# Allegro board XS6-9.brd (continued)
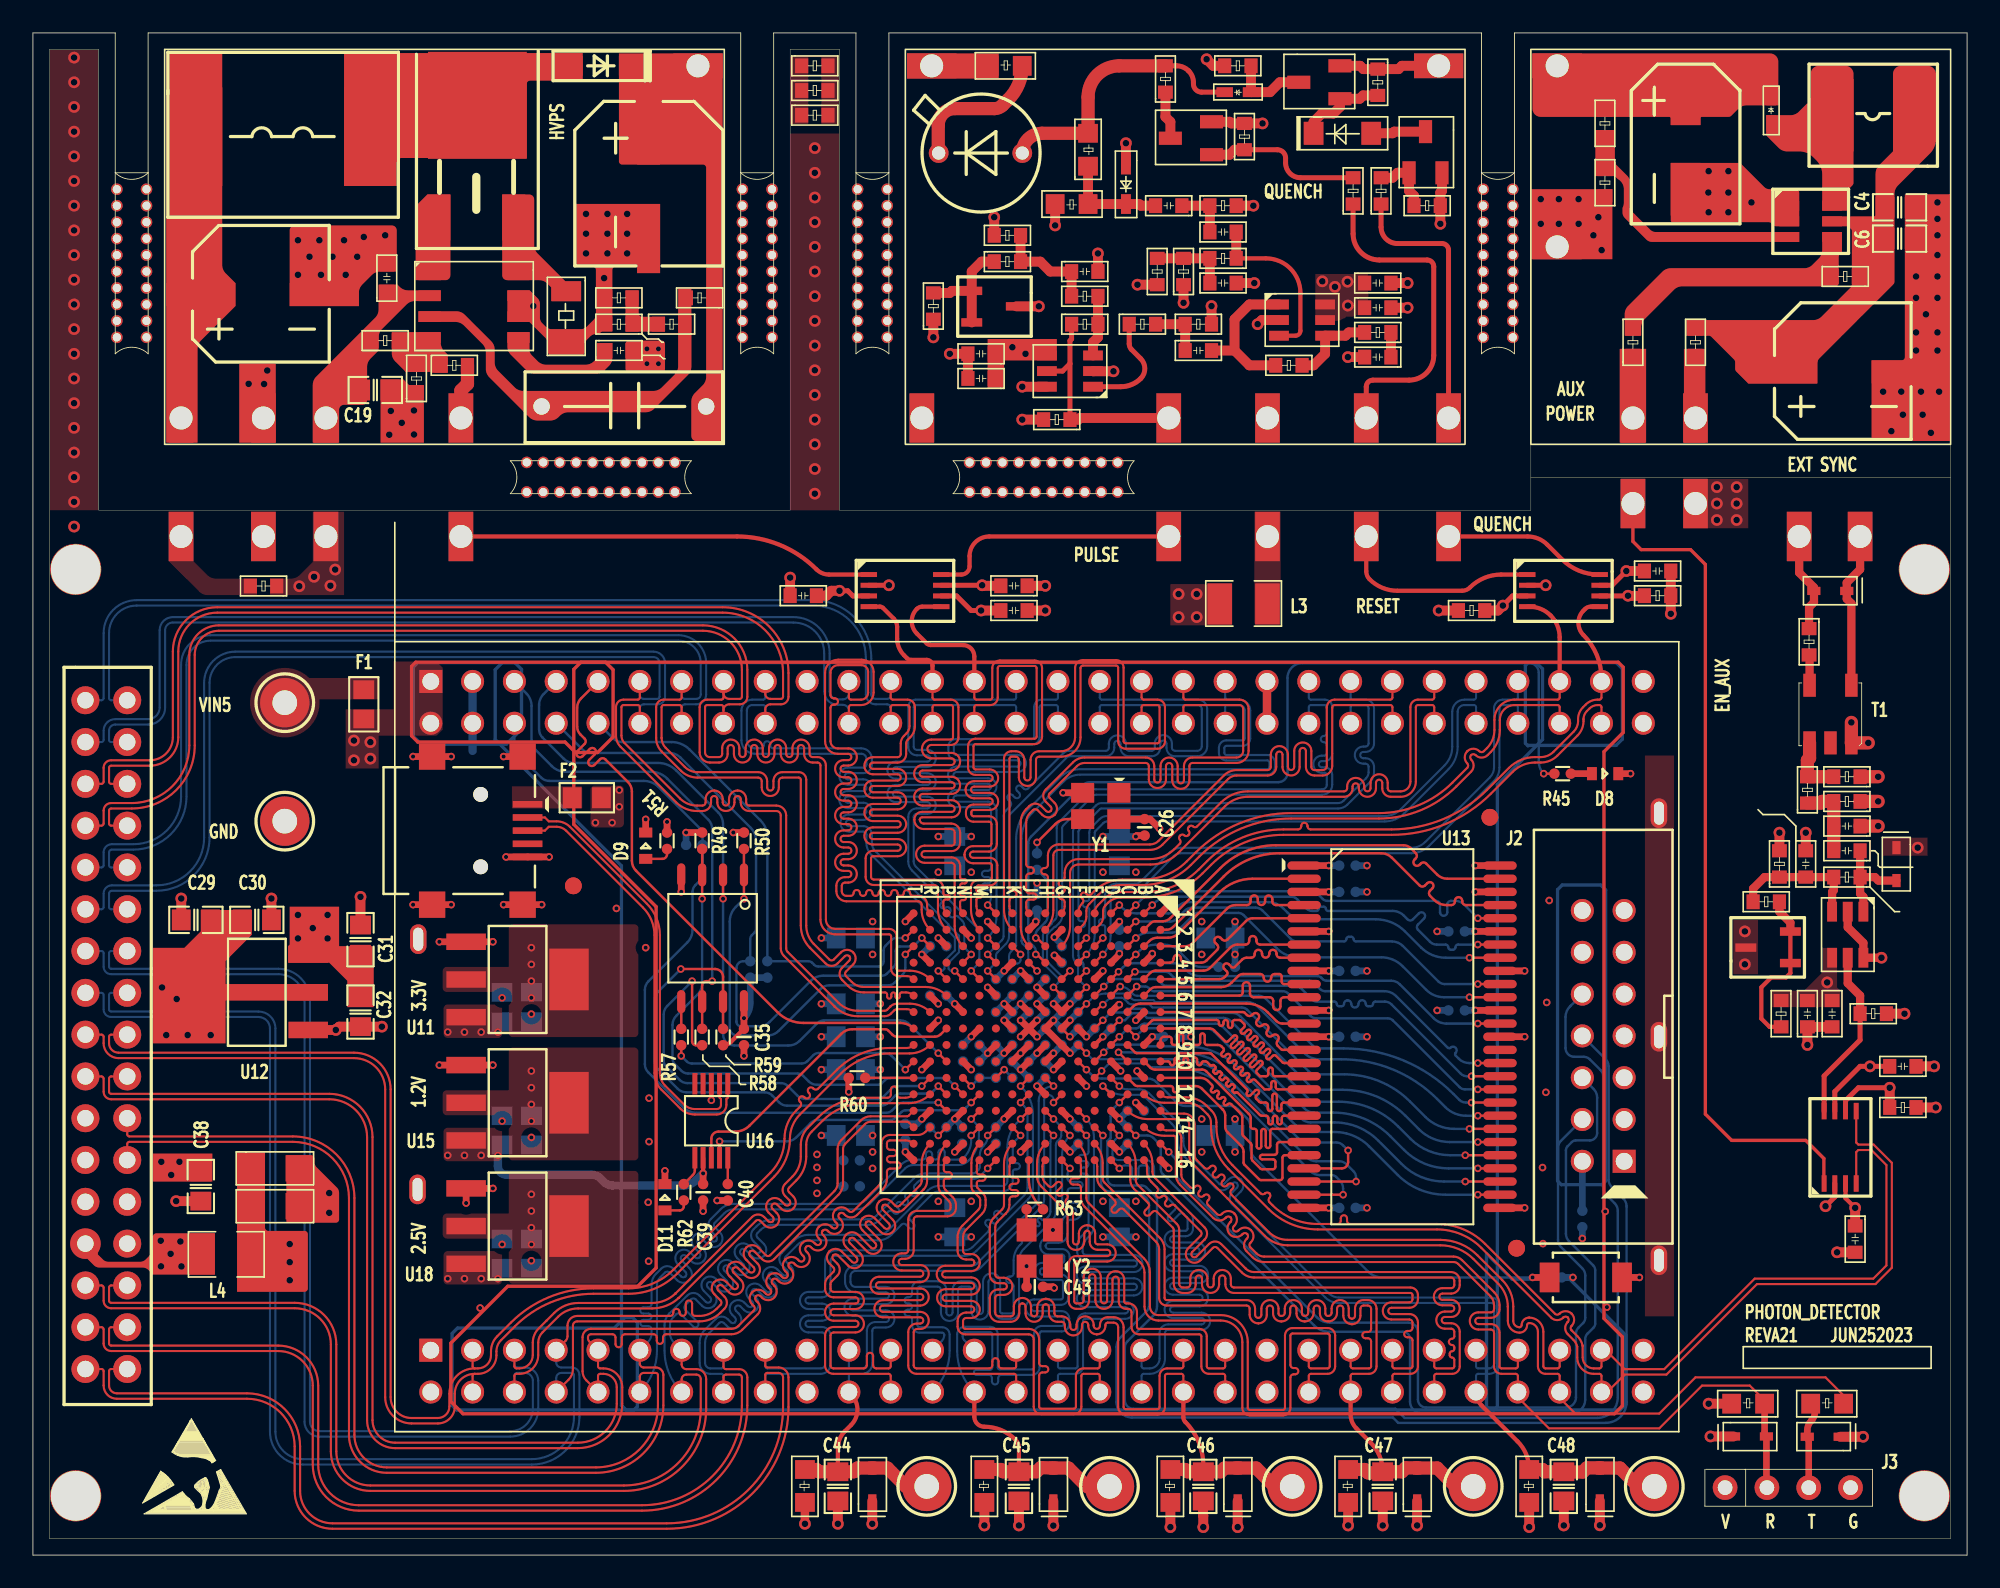
[diagram p0: board, top side]
## Footprints (pads in the part's own frame, mm; a bottom-side part is the same pattern mirrored in y, then rotated) (continued)
IND-SMD-L5D0-W5D0-P4D6-MM
  rect 2.2x4.4 smd: 1(0,0) 2(4.6,0)
IND-SMD-L11D5-W10D0-P10D4
  rect 3x6 smd: 1(0,0) 2(10.4,0)
L1210
  rect 1.5x2.5 smd: 1(0.1,1.3) 2(3,1.3)
MINIUSB-AB-SM
  round 0.9 hole 0.9 unplated: (-2.2,5.9) (2.2,5.9)
  rect 0.4x1.8 smd: 1(-1.6,8.75) 2(-0.8,8.75) 3(0,8.75) 4(0.8,8.75) 5(1.6,8.75)
  rect 1.6x1.6 smd: S1(-4.5,8.45) S2(4.5,8.45) S3(-4.5,2.95) S4(4.5,2.95)
MSOP10
  rect 1.3x0.3 smd: 1(-2.25,1) 2(-2.25,0.5) 3(-2.25,0) 4(-2.25,-0.5) 5(-2.25,-1) 6(2.25,-1) 7(2.25,-0.5) 8(2.25,0) 9(2.25,0.5) 10(2.25,1)
OSC3225
  rect 1.4x1.2 smd: 1(-1.1,-0.8) 2(1.1,-0.8) 3(1.1,0.8) 4(-1.1,0.8)
Q0603
  rect 0.6x0.8 smd: 1(-0.8,0) 2(0.8,0)
R0402
  round 0.635 smd: 1(-0.5,0) 2(0.5,0)
R0603
  rect 0.8x0.9 smd: 1(0,0) 2(1.6,0)
R0805
  rect 1.14x1.2 smd: 1(0,0) 2(2,0)
R1206
  rect 1.2x1.8 smd: 1(0,0) 2(3,0)
SAPD-THR-2P
  round 1.2 hole 0.8: 1(2.576,0) 2(-2.504,0)
SIP-4-2D54MM
  round 1.5 hole 0.89: 1(0,0) 2(2.54,0) 3(5.08,0) 4(7.62,0)
SM-22
  rect 0.76x1.4 smd: 1(0.629,3.642) 2(1.899,3.642) 3(3.169,3.642) 4(3.169,0.142) 5(0.629,0.142)
SMD_3X4X2MM
  rect 1.2x1.8 smd: 1(-2.2,0) 2(2.2,0)
SO-8
  rect 0.65x1.35 smd: 1(0,-5.4) 2(1.27,-5.4) 3(2.54,-5.4) 4(3.81,-5.4) 5(3.81,0) 6(2.54,0) 7(1.27,0) 8(0,0)
SOD323-L1D8-W1D3-P2D4-MM
  rect 1.2x0.6 smd: 1(0,0) 2(2.4,0)
SOD-123-L2D8-W1D8-P3D5-MM
  rect 1.2x1.4 smd: 1(0,0) 2(3.5,0)
SOD-123FL
  rect 1.4x1.2 smd: 1(0,0) 2(3.6,0)
SOD-323
  rect 0.8x0.5 smd: 1(-0.99,0.01) 2(1.01,0.01)
SOD-523-L1D2-W0D8-P1D6-MM
  rect 1x0.6 smd: 1(0,0) 2(1.6,0)
SOIC8_1P27_208MIL
  oval 1.4x0.5 smd: 1(-3.85,1.905) 2(-3.85,0.635) 3(-3.85,-0.635) 4(-3.85,-1.905) 5(3.85,-1.905) 6(3.85,-0.635) 7(3.85,0.635) 8(3.85,1.905)
SOT23-6
  rect 0.6x1.2 smd: 1(-0.9,-1.3) 2(0.05,-1.3) 3(1,-1.3) 4(1,1.3) 5(0.05,1.3) 6(-0.9,1.3)
SOT-23-3-L2D9-W1D3-P1D9-MM
  rect 1.4x0.8 smd: 1(0,-2) 2(0,0) 3(-2.5,-1)
SOT-23-3-TL431
  rect 0.51x1.27 smd: 1(0.476,0.434) 2(1.415,3.142) 3(2.391,0.434)
SOT-23-6-L2D9-W1D6-PD0D95-CD2D8-MM
  rect 1.2x0.6 smd: 1(0,0) 2(0,-0.95) 3(0,-1.9) 4(2.8,-1.9) 5(2.8,-0.95) 6(2.8,0)
SOT-223
  rect 1x2.4 smd: 1(-2.29,-3.125) 2(0,-3.125) 3(2.29,-3.125)
  rect 3.75x2.4 smd: 4(0,3.125)
STAMP_HOLE_1D5X3D0_1D4
  rect 1.5x3 hole 1.4: 1(0,0)
TO-252-2-DPAK
  rect 2.8x1.4 smd: 1(-6.82,2.34) 3(-6.82,-2.21)
  rect 6.5x6 smd: 2(0,0)
TP_OBL1_4X0_6
  oval 1.8x1 hole 1.4x0.6: 1(0,0)
TP_THR_CIR_3D0_1D5
  round 3 hole 1.5: 1(0,0)
TSOP54-400
  oval 0.508x2.032 smd: 1(0,0) 2(0.8,0) 3(1.6,0) 4(2.4,0) 5(3.2,0) 6(4,0) 7(4.8,0) 8(5.6,0) 9(6.4,0) 10(7.2,0) 11(8,0) 12(8.8,0) 13(9.6,0) 14(10.4,0) 15(11.2,0) 16(12,0) 17(12.8,0) 18(13.6,0) 19(14.4,0) 20(15.2,0) 21(16,0) 22(16.8,0) 23(17.6,0) 24(18.4,0) 25(19.2,0) 26(20,0) 27(20.8,0) 28(20.8,11.9) 29(20,11.9) 30(19.2,11.9) 31(18.4,11.9) 32(17.6,11.9) 33(16.8,11.9) 34(16,11.9) 35(15.2,11.9) 36(14.4,11.9) 37(13.6,11.9) 38(12.8,11.9) 39(12,11.9) 40(11.2,11.9) 41(10.4,11.9) 42(9.6,11.9) 43(8.8,11.9) 44(8,11.9) 45(7.2,11.9) 46(6.4,11.9) 47(5.6,11.9) 48(4.8,11.9) 49(4,11.9) 50(3.2,11.9) 51(2.4,11.9) 52(1.6,11.9) 53(0.8,11.9) 54(0,11.9)
unnamed
  round 0.7 hole 0.5 unplated: (0,0.9) (0,-0.9) (1,0.9) (1,-0.9) (2,0.9) (2,-0.9) (3,0.9) (3,-0.9) (4,0.9) (4,-0.9) (5,0.9) (5,-0.9) (6,0.9) (6,-0.9) (7,0.9) (7,-0.9) (8,0.9) (8,-0.9) (9,0.9) (9,-0.9)
unnamed#3
  round 3.1 hole 3 unplated: (0,0)
unnamed#4
  round 1.016 smd: (0,0) (0,0)
VSSOP-8
  rect 0.3x1 smd: 1(-0.985,-2.22) 2(-0.335,-2.22) 3(0.315,-2.22) 4(0.965,-2.22) 5(0.965,2.18) 6(0.315,2.18) 7(-0.335,2.18) 8(-0.985,2.18)

## Nets
5V_HVPS_IN: R41.2 TP19.1(TP)
+1.2V: C63.1 C64.1 C66.1 C68.1 C72.1 C73.1 C75.1 C76.1 C77.1 C80.1 C81.1 C82.1 C87.1 C89.1 U14.G7 U14.G9 U14.H8 U14.H10 U14.J7 U14.J9 U14.K8(VCCINT#K8) U14.K10 U15.2 U15.4(VOUT1)
+2.5V: C102.1 R80.2 U18.2 U18.4(VOUT1)
+3.3V: C23.1 C24.1 C26.1 C35.1 C42.1 C49.1 C50.1 C51.1 C52.1 C53.1 C54.1 C55.1 C56.1 C57.1 C58.1 C59.1 C60.1 C61.1 C62.1 C65.1 C67.1 C69.1 C71.1 C74.1 C78.1 C79.1 C83.1 C84.1 C85.1 C86.1 C88.1 C92.1 C98.1 C99.1 J2.2(VREF) J3.1 R42.1 R43.1 R49.2 R50.2 R59.2 R60.2 R61.1 R64.2 R66.2 R67.2 R68.2 R69.2 R70.2 R71.2 R74.2 R75.2 R76.2 R77.2 R81.2 R82.1 U6.3 U6.6 U7.3 U7.6 U9.8 U11.2 U11.4(VOUT1) U13.1 U13.3 U13.9 U13.14 U13.27 U13.43 U13.49 U14.B4 U14.B9 U14.B13 U14.D2 U14.D7 U14.D10 U14.E5 U14.F8 U14.F11 U14.G4 U14.G10 U14.H6 U14.J2 U14.J10 U14.K4 U14.L6 U14.L9 U14.N2 U14.N7 U14.N10 U14.R4 U14.R8 U17.3 U17.6 Y1.4(VCC)
+5V: C21.2 C22.2 C31.1 C32.1 C33.2 C34.2 C36.2 C37.1 C39.1 C41.1 C70.1 C90.1 C103.1 F1.1 F2.2 J4.1 J4.2 L3.2 L4.2 R41.1 R51.1 R55.1 TP18.1(TP) TP21.1(TP) U6.7(VCCB) U7.7(VCCB) U8.4 U11.3 U12.3 U15.3 U16.7(VCC) U17.7(VCCB) U18.3
GND: C21.1 C22.1 C23.2 C24.2 C25.1 C26.2 C28.2 C29.2 C30.2 C31.2 C32.2 C33.1 C34.1 C35.2 C36.1 C37.2 C38.2 C39.2 C40.2 C41.2 C42.2 C43.2 C44.2 C45.2 C46.2 C47.2 C48.2 C49.2 C50.2 C51.2 C52.2 C53.2 C54.2 C55.2 C56.2 C57.2 C58.2 C59.2 C60.2 C61.2 C62.2 C63.2 C64.2 C65.2 C66.2 C67.2 C68.2 C69.2 C70.2 C71.2 C72.2 C73.2 C74.2 C75.2 C76.2 C77.2 C78.2 C79.2 C80.2 C81.2 C82.2 C83.2 C84.2 C85.2 C86.2 C87.2 C88.2 C89.2 C90.2 C91.2 C92.2 C93.2 C94.2 C95.2 C96.2 C97.2 C98.2 C99.2 C100.2 C101.2 C102.2 C103.2 D8.2(CATHODE) D9.2(CATHODE) D10.1 D11.2(CATHODE) D12.1 D13.1 D14.1 D15.1 D16.1 D17.1 D18.1 J1.5 J1.S1 J1.S2 J1.S3 J1.S4(SHLD4) J2.1 J2.3 J2.5 J2.7 J2.9 J2.11 J2.13 J3.4 J4.3 J4.4 J4.19 J4.20 J4.41 J4.42 J4.59 J4.60 J5.22 J5.26 J5.27 J6.1 J6.2 J6.19 J6.20 J6.41 J6.42 J6.59 J6.60 R42.2 R43.2 R46.1 R48.1 R52.2 R56.2 R61.2 R73.2 R78.1 R79.1 S1.2 T1.1 T2.1(PIN1) T3.1(PIN1) T4.1(PIN1) T5.1(PIN1) T6.1(PIN1) TP20.1(TP) TP30.1(TP) U6.2 U7.2 U8.2(V-) U8.6 U9.4 U10.2 U11.1 U12.1 U13.6 U13.12 U13.28 U13.41 U13.46 U13.52(VSSQ3) U13.54 U14.A1 U14.A16 U14.B7 U14.B11 U14.D4 U14.D13 U14.E9 U14.G2 U14.G8 U14.G15 U14.H7 U14.H9 U14.H12 U14.J5 U14.J8 U14.K7 U14.K9 U14.L2 U14.L15 U14.M8 U14.N13 U14.P3 U14.R6 U14.R10 U14.T1 U14.T16 U15.1 U16.3 U17.2 U18.1 Y1.2 Y2.2
GND_FIELD SIGNAL: C7.2 C9.2 C10.2 C12.2 C15.2 C16.2 C18.2 D6.1 Q2.2(S) Q4.2(S) R3.1 R9.2 R14.1 R15.2 R16.2 R17.2 R21.1 R32.1 R40.2 TP10.1(TP) U3.2 U4.2(V-) U5.2(V-) U5.6
GND_HVPS: C2.2 C8.2 C11.2 C13.2 C19.2 R24.2 R27.2 R28.2 R39.1 TP7.1(TP) U2.6 U2.7
GND_QUENCH: C1.2 C4.2 C6.2 C17.2 R11.2 TP5.1(TP) U1.1 U1.2
V5Q: L3.1 TP24.1(TP)
VCCIO: C43.1 C91.1 C93.1 C94.1 C95.1 C96.1 C97.1 C100.1 C101.1 R80.1 R81.1 U14.D15 U14.G13 U14.J15 U14.K13 U14.N15 U14.R13 Y2.4(VCC)
VDD5_LCD: J5.28 L4.1
VDD5_QUENCH: C10.1 C12.1 C15.1 C18.1 R20.2 R26.1 TP12.1(TP) U4.5 U4.6 U5.4
VDD33: C29.1 C30.1 C38.1 J5.24 J5.25 U12.2 U12.4(VOUT1)
A12_L62N_0: J6.57 U14.A12 U17.4
A13_L63N_0: J6.55 U14.A13
A14_L65N_0: J6.53 U14.A14
AUX_PWR_EN: R35.1 TP15.1(TP)
B12_L62P_0: J6.58 U14.B12 U17.5
B14_L65P_0: D12.2(CATHODE) J3.2 J6.54 R64.1 U14.B14
B15_L29P_1: J6.50 U14.B15
B16_L29N_1: J6.49 U14.B16
C13_L63P_0: J6.56 R65.1 U14.C13
C15_L33P_1: J6.48 U14.C15
C16_L33N_1: J6.47 U14.C16
D11_L66P_0: C48.1 D18.2(CATHODE) J6.52 R70.1 TP35.1(TP) U14.D11
D12_L66N_0: J6.51 U14.D12
D14_L31P_1: J6.36 U14.D14
D16_L31N_1: J6.35 U14.D16
DONE_2: J4.6 R71.1 U14.P13
E1_L46N_3: J4.57 U7.5 U14.E1
E2_L46P_3: J4.58 U14.E2
E3_L54N_3: J4.53 U14.E3
E4_L54P_3: J4.54 U14.E4
E15_L34P_1: C47.1 D17.2(CATHODE) J6.46 R69.1 TP34.1(TP) U14.E15
E16_L34N_1: J6.45 U14.E16
EN: R37.1 TP9.1(TP)
EN_AUX_PWR: TP17.1(TP) U17.1
EN_HVPS: TP22.1(TP) U6.1
EN_HVPS_IO: J4.25 U6.4 U14.N1
F1_L41N_GCLK26_3: J4.55 U7.4 U14.F1
F2_L41P_GCLK27_3: J4.56 U14.F2
F3_L53N_3: J4.51 U14.F3
F4_L53P_3: J4.52 U14.F4
F5_L55N_3: J4.45 U14.F5
F6_L55P_3: J4.46 U14.F6
F10_KEY_0: R82.2 S1.1 U14.F10
F13_L32P_1: J6.32 U14.F13
F14_L32N_1: J6.31 U14.F14
F15_L35P_1: J6.44 U14.F15
F16_L35N_1: J6.43 U14.F16
FPGA_TCK: J2.6 U14.C14
FPGA_TDI: J2.10 U14.C12
FPGA_TDO: J2.8 U14.E14
FPGA_TMS: J2.4 U14.A15
G1_L40N_3: J4.49 U14.G1
G3_L40P_3: J4.50 U14.G3
G5_L51N_3: J4.43 U14.G5
G6_L51P_3: J4.44 U14.G6
G12_L38P_1: C44.1 D14.2(CATHODE) J6.22 R66.1 TP31.1(TP) U14.G12
G14_L36P_1: C45.1 D15.2(CATHODE) J6.28 R67.1 TP32.1(TP) U14.G14
G16_L36N_1: J6.27 U14.G16
H1_L39N_3: J4.47 U14.H1
H2_L39P_3: J4.48 U14.H2
H3_50MHZ_CLK: R72.1 U14.H3
H4_LED_3: R45.2 U14.H4
H11_L38N_1: J6.21 U14.H11
H13_L39P_1: J6.26 U14.H13
H14_L39N_1: J6.25 U14.H14
H15_L37P_1: J6.40 U14.H15
H16_L37N_1: J6.39 U14.H16
HV+: C2.1 C20.1 D1.1(K) R25.1 TP1.1(TP)
J1_L38N_3: J4.37 U14.J1
J3_L38P_3: J4.38 U14.J3
J4_L42N_GCLK24_3: J4.39 U14.J4
J11_L40P_GCLK11_1: J5.33 J6.18 U14.J11
J12_L40N_GCLK10_1: J5.34 J6.17 U14.J12
J13_L41P_GCLK9_1: J5.31 J6.16 U14.J13
J16_RFU_CLK: R63.1 U14.J16
K1_L37N_3: J4.35 U14.K1
K2_L37P_3: J4.36 U14.K2
K3_L42P_GCLK25_3: J4.40 U14.K3
K14_L41N_GCLK8_1: J5.32 J6.15 U14.K14
K15_L44P_1: C46.1 D16.2(CATHODE) J6.38 R68.1 TP33.1(TP) U14.K15
K16_L44N_1: J6.37 U14.K16
L1_L36N_3: J4.31 U14.L1
L3_L36P_3: J4.32 U14.L3
L4_L45P_3: J4.34 U14.L4
L5_L45N_3: J4.33 U14.L5
L14_L47P_1: J5.29 J6.14 U14.L14
L16_L47N_1: J5.30 J6.13 U14.L16
M1_L35N_3: J4.27 U6.5 U14.M1
M2_L35P_3: J4.28 U14.M2
M5_L2P_3: J4.30 U14.M5
M13_L74P_1: J5.21 J6.12 U14.M13
M14_L74N_1: J5.23 J6.11 U14.M14
M15_L46P_1: J6.34 U14.M15
M16_L46N_1: J6.33 U14.M16
MSEL0: R60.1 U14.T11
MSEL1: R77.1 R78.2 U14.N11
N3_L34P_3: J4.26 U14.N3
N4_L2N_3: J4.29 U14.N4
N5_L49P_2: J4.18 J5.6 U14.N5
N12_IO_MISO2_2: R49.1 U9.3(W\P\(IO2)) U14.N12
P1_L33N_3: J4.23 J5.2 U14.P1
P2_L33P_3: J4.24 J5.1 U14.P2
P5_L49N_2: J4.17 J5.5 U14.P5
P6_L47P_2: J4.14 J5.10 U14.P6
P10_IO_DIN_MISO1_2: J4.7 U9.2 U14.P10
P12_IO_MISO3_2: R59.1 U9.7 U14.P12
P15_L48P_1: J6.30 U14.P15
P16_L48N_1: J6.29 U14.P16
PROGRAM_B_2: J4.10 R74.1 U14.T2
PULSE: R30.1 R40.1 TP11.1(TP) U5.5
PULSE_IN: TP23.1(TP) U6.8
PWR_IC: C8.1 C19.1 R34.1 TP8.1(TP) U2.2(V+)
PWR_IN: C11.1 L2.1 TP6.1(TP)
QUENCH_VOLTAGE_DOWN: R13.1 TP14.1(TP)
QUENCH_VOLTAGE_DWN_OUT: TP26.1(TP) U7.8
R1_L32N_3: J4.21 J5.4 U14.R1
R2_L32P_3: J4.22 J5.3 U14.R2
R3_IO_INIT_B_2: J4.8 R75.1 U14.R3
R5_L48P_2: J4.16 J5.8 U14.R5
R7_L32P_GCLK29_2: J4.12 J5.12 U14.R7
R9_L23P_2: J5.18 J6.4 U14.R9
R11_IO_CCLK_2: J4.5 R58.2 U9.6
R12_L52P_1: J5.13 J6.6 U14.R12
R14_L50P_1: J5.19 J6.10 U14.R14
R15_L49P_1: J6.24 U14.R15
R16_L49N_1: J6.23 U14.R16
RESET_DISCHARGE: R12.1 TP13.1(TP)
RESET_DISCHARGE_OUT: TP25.1(TP) U7.1
RXD: U14.M12 U16.9
SDRAM_A0: U13.23 U14.C11
SDRAM_A1: U13.24 U14.C10
SDRAM_A2: U13.25 U14.F9
SDRAM_A3: U13.26 U14.E11
SDRAM_A4: U13.29 U14.E10
SDRAM_A5: U13.30 U14.C8
SDRAM_A6: U13.31 U14.D9
SDRAM_A7: U13.32 U14.D8
SDRAM_A8: U13.33 U14.E8
SDRAM_A9: U13.34 U14.E7
SDRAM_A10: U13.22 U14.A11
SDRAM_A11: U13.35 U14.F7
SDRAM_A12: U13.36 U14.D6
SDRAM_BA0: U13.20 U14.A10
SDRAM_BA1: U13.21 U14.B10
SDRAM_DQ0: U13.2 U14.B3
SDRAM_DQ1: U13.4 U14.A3
SDRAM_DQ2: U13.5 U14.A4
SDRAM_DQ3: U13.7 U14.B5
SDRAM_DQ4: U13.8 U14.A5
SDRAM_DQ5: U13.10 U14.B6
SDRAM_DQ6: U13.11 U14.A6
SDRAM_DQ7: U13.13 U14.C7
SDRAM_DQ8: U13.42 U14.D5
SDRAM_DQ9: U13.44 U14.C3
SDRAM_DQ10: U13.45 U14.C2
SDRAM_DQ11: U13.47 U14.D1
SDRAM_DQ12: U13.48 U14.B1
SDRAM_DQ13: U13.50 U14.C1
SDRAM_DQ14: U13.51 U14.A2
SDRAM_DQ15: U13.53 U14.B2
SDRAM_LDQM: U13.15 U14.A7
SDRAM_NSCAS: U13.17 U14.A8
SDRAM_NSCS: U13.19 U14.C9
SDRAM_NSRAS: U13.18 U14.A9
SDRAM_NWE: U13.16 U14.B8
SDRAM_SCKE: U13.37 U14.C6
SDRAM_SCLK: U13.38 U14.E6
SDRAM_UDQM: U13.39 U14.C5
T3_CSO_B_2: R50.1 U9.1 U14.T3
T5_L48N_2: J4.15 J5.7 U14.T5
T6_L47N_2: J4.13 J5.9 U14.T6
T7_L32N_GCLK28_2: J4.11 J5.11 U14.T7
T8_IO_GCLK0_2: J4.9 U14.T8
T9_L23N_2: J5.17 J6.3 U14.T9
T10_IO_MOSI_MISO0_2: R57.2 U9.5
T12_L52N_1: J5.14 J6.5 U14.T12
T13_L51N_1: J5.16 J6.7 U14.T13
T14_L51P_1: J5.15 J6.8 U14.T14
T15_L50N_1: J5.20 J6.9 U14.T15
TXD: U14.P8 U16.8
USB_DM: J1.2 U16.2
USB_DP: J1.3 U16.1
VBIAS: R2.2 TP2.1(TP)
VQUENCH: Q1.2(S) R5.1 TP3.1(TP)
VQUENCH_PWR: C1.1 D3.1(K) R8.1 TP4.1(TP)
VREF: C7.1 R17.1 R19.2 R23.2
ZERO_CROSS: R56.1 U8.5 U17.8
N00177: Q3.1 U2.1
N00181: Q3.3(S) R27.1 U2.8
N00224: D1.2 L2.2 Q3.2
N00671: C13.1 U2.5
N03183: R34.2 R37.2 R39.2 U2.4
N10874: F2.1 J1.1
N20588: R72.2 Y1.3
N92203: R63.2 Y2.3
N141459: D9.1 R51.2
N147837: R73.1 U14.C4
N151004: R57.1 U14.T10
N151270: R58.1 U14.R11
N154888: R76.1 U14.L11
N154918: R79.2 U14.P14
N155350: D8.1 R45.1
N271586: C40.1 U16.10
N273444: R62.1 U16.6
N273448: D11.1 R62.2
N281531: C20.2 R25.2 R29.1 U2.3
N361468: R24.1 R28.1 R29.2
N365385: C4.1 C6.1 C17.1 L1.1 R22.1 R36.2 U1.5(VCC)
N365393: D3.2 L1.2 U1.6
N365573: R22.2 R35.2 U1.4
N365581: R8.2 R11.1 U1.3
N370992: D4.1(CATHODE) Q1.1 R5.2
N371048: D4.2 Q4.3
N371052: D2.1(K) D5.2 R4.2 R10.2
N371122: D2.2 Q1.3 R3.2
N371190: Q4.1 R13.2 R16.1
N371268: C3.2 D6.2(CATHODE) R10.1 R14.2
N371272: Q2.3 R4.1
N371414: Q2.1 R9.1 R12.2
N371666: C3.1 C5.2 R15.1
N372066: R19.1 R26.2 U3.1(REF) U3.3
N375383: R31.1 U5.1
N376175: R23.1 R30.2 U5.3
N379806: C9.1 R18.2 R20.1 R21.2
N380805: C5.1 R18.1 U4.3
N381019: R33.2 R38.2 U4.4
N381074: C14.2 R38.1 U4.1
N381200: C16.1 R33.1
N382559: C14.1 R31.2 R32.2
N382943: D5.1(K) R2.1
N383561: R36.1 TP16.1(TP)
N387558: R1.1 R6.1 R7.1
N387570: R1.2 R6.2 R7.2
N415847: R46.2 R47.2 T1.3
N415863: D7.2(CATHODE) R44.1 TP27.1(TP)
N415867: R44.2 T1.4
N415925: D7.1 T1.5 TP28.1(TP)
N417813: C25.2 C27.2 R47.1 R48.2
N417823: C27.1 D10.2(CATHODE) R53.1 U8.1
N419097: C28.1 R52.1 R53.2 R54.2 U8.3
N419105: R54.1 R55.2 U10.1(REF) U10.3
N427666: F1.2 TP29.1(TP)
N429095: D13.2(CATHODE) J3.3 R65.2

Pads without a net: J1 4; J2 12 14; T1 2; U13 40; U14 D3 E12 E13 F12 G11 H5 J6 J14 K5 K6 K11 K12 L7 L8 L10 L12 L13 M3 M4 M6 M7 M9 M10 M11 N6 N8 N9 N14 N16 P4 P7 P9 P11 T4; U16 4 5; Y1 1; Y2 1

## Via types
v1: diameter 0.711, hole 0.406, TOP to BOTTOM, 229 vias
v2: diameter 0.508, hole 0.305, TOP to BOTTOM, 4 vias
v3: diameter 0.457, hole 0.254, TOP to BOTTOM, 325 vias

## Routing (per net, layer and track width the routed paths; a pad name or vN(x,y) marks a point on that pad's centre or on a via; arc(x,y) is an arc through that point)
+1.2V: length 23.2
  TOP w0.406: v3(59,32.5) U14.K8 ; v3(63,30.5) U14.G9 U14.H8 v3(62,32.5) ; v3(62,33.5) U14.G7 v3(63,33.5) ; U14.H10 v3(62,30.5) ; U14.J7 v3(60,33.5) ; U14.J9 v3(60,30.5) U14.K10
  L3_P w0.254: v3(59,32.5) 59,31.5 v3(60,30.5) 60.14,30.5 60.75,29.89 61.39,29.89 v3(62,30.5)
  BOTTOM w0.254: C73.1 v3(60,33.5)
  BOTTOM w0.38: v3(62,32.5) C75.1
  BOTTOM w0.406: U14.K8 v3(59,32.5) C73.1 ; U14.J9 v3(60,30.5) ; C80.1 v3(51.48,31.5) ; C87.1 v3(51.48,29.5) ; C68.1 v3(51.48,33.5) ; C63.1 v3(62,33.5) ; C64.1 v3(60,33.5) ; C77.1 v3(63,30.5) ; U14.G7 v3(62,32.5) ; U14.G9 v3(62,30.5) ; C66.1 v3(63,33.5)
  vias: v3(30.28,29.42) v3(30.28,28.4) v3(30.28,27.39) v3(30.28,26.37)
+2.5V:
  vias: v3(30.28,21.93) v3(30.28,20.91) v3(30.28,19.89) v3(30.28,18.88) v3(47.63,24.35) v3(47.63,23.56)
+3.3V: length 88.1
  TOP w0.127: 112.8,27.1 R61.1
  TOP w0.254: C35.1 42.43,31.22 42.39,31.17 arc(42.18,31.03) R59.2 ; v1(110.7,21.1) 110.12,21.69 U17.3
  TOP w0.3: v1(112.8,28.4) 110.9,28.4 110.12,27.62 U17.6 ; U7.3 89.88,58.29 v1(89.3,57.7) ; U7.6 96.88,58.29 v1(96.9,58.3) ; U6.6 56.12,58.29 57,57.4 v1(57.6,57.4) ; v1(49,58.6) 49.5,58.6 49.81,58.29 U6.3
  TOP w0.406: U14.D2 v3(66,38.5) ; U13.14 v3(78.72,31.5) ; U14.B13 v3(67,27.5) ; U14.B4 68,36.5 v3(68,36.55) ; C35.1 v3(43.2,32.63) U9.8 ; v3(60.92,38.5) 60.92,38.42 U14.J2 ; U14.R4 v3(54,36.5) ; U14.F11 v3(64,28.5) ; R60.2 v3(49.56,28.15) ; U14.H6 v3(61,34.5) ; v3(68.44,44.15) 67.87,44.72 C26.1 Y1.4 ; U14.L9 v3(58,30.5) ; U13.3 v3(78.72,40.3) ; v3(62.05,36.45) U14.G4 ; v3(66,33.45) 65.95,33.45 U14.D7 ; U14.F8 v3(64,31.5) ; U14.E5 v3(65,35.5) ; U13.27 v3(78.72,21.1) ; U13.43 v3(87.63,33.1) ; U14.N2 v3(57,37.5) ; R50.2 v3(42.55,43.91) ; R49.2 v3(39.68,43.91) ; U14.J10 v3(60,29.5) ; U13.49 v3(87.63,37.9) ; v3(66.08,29.42) U14.D10 ; U14.L6 v3(58,34.5) ; U13.9 v3(78.72,35.5) ; U14.K4 v3(59,35.5) ; U14.B9 v3(68,31.5) ; U13.1 v3(78.72,41.9) ; U14.N10 v3(57,29.5) ; U14.N7 v3(56,33.5) ; U14.G10 v3(62,29.5) ; U14.R8 v3(55,32.5)
  TOP w0.508: R66.2 v1(46.9,1.9)
  TOP w0.6: v1(89.3,57.7) 89,57.4 R43.1 ; R69.2 v1(79.9,1.8) ; v1(57.6,57.4) C24.1 ; v1(96.9,58.3) 96.92,58.29 97.88,58.29 R42.1 ; R67.2 v1(57.8,1.8) ; R64.2 v1(101.8,9.2) ; v1(49,58.6) 48.5,58.6 48.2,58.3 C23.1 ; R61.1 v1(112.8,28.4) ; v1(110.7,21.1) C42.1 ; R70.2 v1(90.9,1.7) ; R68.2 v1(69.1,1.7)
  BOTTOM w0.406: R77.2 v3(58,30.5) C83.1 ; U14.G4 v3(62.05,36.45) ; C51.1 v3(78.72,41.9) ; C55.1 v3(66,38.5) ; C85.1 v3(62,29.5) ; C61.1 v3(61,34.5) ; C60.1 v3(78.72,35.5) ; C54.1 v3(87.63,37.9) ; R76.2 v3(60,29.5) C86.1 ; C74.1 v3(64,31.5) ; C62.1 v3(59,35.5) ; C53.1 61,38.58 v3(60.92,38.5) ; C79.1 v3(68,31.5) ; C58.1 v3(54,36.5) ; R74.2 R75.2 43.58,33.55 arc(43.48,33.05) v3(43.2,32.63) ; C65.1 v3(56,33.5) ; U14.B13 v3(67,27.5) ; U14.L6 v3(58,34.5) ; C78.1 v3(78.72,31.5) ; C98.1 v3(78.72,21.1) ; C99.1 J2.2 ; C71.1 v3(87.63,33.1) ; U14.N10 v3(57,29.5) ; C52.1 v3(78.72,40.3) ; R82.1 v3(93.55,16.87) ; R71.2 v3(39.68,43.91)
  vias: v3(30.28,36.91) v3(30.28,35.9) v3(30.28,34.88) v3(30.28,33.86) v3(47.63,22.77) v3(47.63,21.98) v3(51.01,38.5) v3(51.01,36.5) v3(55,41.5) v3(57,41.5) v3(65,41.5) v3(67,41.5) v3(71,38.5) v3(71,36.5) v3(71,26.5) v3(71,24.5)
+5V: length 28
  TOP w0.254: U16.7 v3(40.71,23.2)
  TOP w0.3: U7.7 95.94,58.94 v1(96.8,59.8) ; C36.2 v1(111.6,29.7) 111,29.7 109.46,28.16 109.46,26.98 ; U6.7 v1(57.67,58.94)
  TOP w0.406: R51.1 v3(38.52,44.56) ; C39.1 v3(40.71,23.2)
  TOP w0.6: C22.2 57.7,58.9 v1(57.67,58.94) ; C21.2 v1(96.8,59.8)
  BOTTOM w0.508: v3(28.25,24.29) 28.25,23.63 arc(28.4,23.27) 28.76,23.12 33.91,23.12 arc(34.23,23.06) 34.5,22.88 34.72,22.65 arc(34.93,22.51) 35.18,22.46 39.48,22.46 arc(39.92,22.54) 40.3,22.78 arc(40.31,22.79) 40.32,22.81 v3(40.71,23.2)
  vias: v1(15.6,18.9) v1(15.6,17.8) v1(15.6,16.7) v1(16.1,38.9) v1(16.1,37.47) v1(16.18,58.88) v1(17,38.1) v1(17.08,59.45) v1(17.9,38.9) v1(17.9,37.47) v1(18.07,58.91) v1(18.36,59.89) v1(19.5,49.5) v1(19.5,48.3) v1(20.5,49.4) v1(20.5,48.4) v1(69.6,58.4) v1(69.6,57) v1(70.7,58.4) v1(70.7,57) v1(102.3,64.9) v1(102.3,63.9) v1(102.3,62.9) v1(103.5,64.9) v1(103.5,63.9) v1(103.5,62.9) v1(109,34.8) v3(25.2,31.78) v3(25.2,24.29) v3(25.2,16.8) v3(26.22,31.78) v3(26.22,24.29) v3(26.22,16.8) v3(27.23,31.78) v3(27.23,24.29) v3(27.23,16.8) v3(28.25,31.78) v3(28.25,16.8) v3(34.17,44.51) v3(35.19,44.51) v3(35.62,46.49) v3(35.62,45.47)
GND: length 193.3
  TOP w0.147: U14.G8 v3(63,31.5)
  TOP w0.254: U14.E9 v3(65,31.5) ; U16.3 v3(41.21,27.64)
  TOP w0.3: v1(108.9,21.2) 109.46,21.76 109.46,22.58 ; U6.2 v1(52,58.94) ; U7.2 v1(91.9,58.94)
  TOP w0.406: U13.41 v3(90.62,31.5) ; v3(26.32,21.39) U18.1 v3(27.94,22.28) ; U14.T16 v3(53,24.5) ; U14.H7 v3(61,33.5) ; U14.K7 v3(59,33.5) ; U13.12 v3(78.72,33.1) ; U13.6 v3(78.72,37.9) ; v3(67,43.67) 67.06,43.72 C26.2 ; U14.J8 v3(61,31.5) ; U14.J8 v3(60,31.5) ; U14.J8 v3(60,32.5) ; U14.J8 v3(61,32.5) ; U13.46 v3(90.62,35.5) ; U14.D13 v3(66,26.5) ; v3(31.36,42.42) J1.5 v3(28.74,42.42) ; U14.L15 v3(58,24.5) ; v3(25.41,39.52) J1.S4 v3(23.09,39.52) ; D8.2 v3(97.06,47.49) ; D11.2 v3(38.39,23.35) ; U14.H12 v3(61,28.5) ; U14.G2 v3(62.05,37.55) ; C39.2 v3(40.71,20.9) ; U14.R6 v3(55,33.5) ; U13.54 v3(87.63,41.9) ; v3(23.09,48.52) J1.S3 v3(25.41,48.52) ; v3(27.94,29.78) U15.1 v3(24.69,29.78) ; v3(62.04,16.23) 61.97,16.31 C43.2 ; U14.A1 v3(69,39.5) ; v3(24.69,37.27) U11.1 v3(27.94,37.27) ; U14.N13 v3(56,26.5) ; J1.S1 v3(28.59,48.52) ; v3(66,36.55) 66,36.5 U14.D4 ; U14.K9 v3(59,30.5) ; v3(67.08,29.42) U14.B11 ; U14.G15 v3(63,24.5) ; U14.G8 v3(63,32.5) ; S1.2 v3(97.59,16.87) ; U13.52 v3(87.63,40.3) ; U14.B7 v3(67,32.5) ; Y1.2 v3(62.58,46.32) ; U14.A16 v3(69,23.5) ; U13.28 v3(90.62,21.1) ; U9.4 v3(39.39,40.3) ; U14.M8 v3(57,31.5) ; U14.H9 v3(61,30.5) ; U14.T1 v3(53,38.5) ; U14.P3 v3(55,37.5) ; C40.2 v3(41.57,21.55) ; U14.R10 v3(54,29.5) ; D9.2 v3(37.23,44.71) ; v3(28.59,39.52) J1.S2 v3(30.91,39.52) ; C35.2 v3(43.2,30.33) ; U14.L2 v3(58,38.5) ; U14.J5 v3(60,35.5)
  TOP w0.5: v1(112.3,36.3) U8.6 111.2,37.2 110.25,38.15 U8.2
  TOP w0.508: J4.41 J4.42
  TOP w0.6: C34.1 C33.1 v1(107.8,31) ; v1(8.7,21.51) 10.2,21.51 ; C24.2 v1(61.5,57.4) ; C28.2 v1(107.7,43.9) ; D15.1 v1(61.99,1.79) ; R52.2 v1(106.1,43.9) ; C31.2 v1(19.9,40) ; D12.1 v1(101.91,7.21) ; C46.2 71.08,3.27 71.08,2.42 71.1,2.4 v1(71.1,1.7) ; C22.1 v1(61.5,58.9) ; C42.2 v1(109.6,18.4) ; v1(99.5,57.2) R42.2 C21.1 ; C29.2 v1(9.01,39.9) ; C44.2 v1(48.9,1.9) ; R61.2 v1(115.6,27.2) ; v1(46,59.4) C23.2 ; U12.1 v1(18.4,31.91) 18.6,32.11 C32.2 v1(21.2,32.11) ; D18.1 v1(95.19,1.81) ; C48.2 v1(93,1.8) ; D14.1 v1(50.99,1.9) ; D17.1 v1(84.09,1.8) ; C45.2 v1(59.9,1.8) ; C47.2 v1(82,1.8) ; C36.1 v1(115.5,29.7) ; D16.1 v1(73.19,1.7) ; D13.1 v1(111.18,7.19) ; C30.2 v1(14.49,39.9) ; R56.2 v1(113.7,32.9) ; R43.2 v1(85.4,57.4)
  TOP w0.8: R48.1 v1(112.1,45.8) ; C25.1 v1(112.1,44.3) ; v1(111.5,49.36) T1.1 v1(110.47,50.6) ; R46.1 v1(112.1,47.3)
  L2_GND w0.127: v3(63,32.5) v3(61,30.5)
  L2_GND w0.254: v3(56,26.5) 55,26.5 53.96,27.54 ; 66,37.55 65.97,37.55 65.01,38.51 ; v3(65,31.5) 64.04,32.46 63.88,32.46
  L3_P w0.254: v1(2.5,91) v1(2.5,89.5) v1(2.5,88) v1(2.5,86.5) v1(2.5,85) v1(2.5,83.5) v1(2.5,82)
  BOTTOM w0.406: C99.2 v3(94.13,19.24) ; v3(62.05,37.55) 62.5,37.1 C59.2 ; C52.2 v3(81.04,40.3) ; v3(73.03,24.5) C92.2 v3(73.03,26.5) ; C96.2 56.45,26.05 v3(56,26.5) R79.1 ; C71.2 v3(85.3,33.1) ; v3(55,43.67) C50.2 v3(57,43.67) ; U14.L15 v3(58,24.5) ; v3(67,19.33) C100.2 v3(65,19.33) ; C83.2 v3(59,30.5) ; v3(59,30.5) R78.1 ; v3(59,30.5) U14.K9 ; v3(67,43.67) C49.2 v3(65,43.67) ; C63.2 v3(61,33.5) ; C94.2 v3(63,24.5) ; C67.2 v3(59,33.5) C64.2 ; C98.2 v3(81.04,21.1) ; C79.2 v3(70.35,31.5) ; C80.2 v3(47.9,31.5) ; C77.2 v3(63,31.5) ; C88.2 v3(66,26.5) C93.2 ; C66.2 v3(63,32.5) ; C55.2 v3(66,36.55) ; C53.2 v3(61,40.85) ; C91.2 v3(53,24.5) ; C51.2 v3(81.04,41.9) ; v3(55,37.5) U14.P3 ; C84.2 v3(57,31.5) ; C60.2 v3(81.04,35.5) ; C102.2 v3(30.28,17.89) ; C103.2 v3(28.5,18.88) ; C54.2 v3(85.3,37.9) ; C87.2 v3(47.9,29.5) ; C69.2 v3(30.28,32.87) ; U14.R6 v3(55,33.5) ; C86.2 v3(61,30.5) U14.H9 ; C68.2 v3(47.9,33.5) ; U14.H7 v3(61,32.5) ; v3(73.03,38.5) C56.2 v3(73.03,36.5) R73.2 ; v3(61,28.5) C85.2 ; C75.2 v3(61,31.5) ; U14.J8 v3(60,31.5) ; C57.2 v3(47.9,37.5) ; C62.2 v3(60,35.5) U14.J5 ; v3(55,19.33) C101.2 v3(57,19.33) ; C97.2 v3(47.9,25.5) ; v3(30.28,25.38) C89.2 ; C73.2 v3(60,32.5) ; C78.2 v3(81.04,31.5) ; C74.2 v3(65,31.5) ; v3(28.5,26.37) C90.2 ; v3(28.5,33.86) C70.2
  BOTTOM w0.508: J4.41 J4.42 ; J4.3 J4.4 26.71,48.87
  vias: v1(2.5,80.5) v1(2.5,79) v1(2.5,77.5) v1(2.5,76) v1(2.5,74.5) v1(2.5,73) v1(2.5,71.5) v1(2.5,70) v1(2.5,68.5) v1(2.5,67) v1(2.5,65.5) v1(2.5,64) v1(2.5,62.5) v1(18,22) v1(18,20.8) v1(47.5,85.5) v1(47.5,84) v1(47.5,82.5) v1(47.5,81) v1(47.5,79.5) v1(47.5,78) v1(47.5,76.5) v1(47.5,75) v1(47.5,73.5) v1(47.5,72) v1(47.5,70.5) v1(47.5,69) v1(47.5,67.5) v1(47.5,66) v1(47.5,64.5) v1(104,37.9) v1(104,35.9) v1(114.5,42.99) v3(27.17,15.02) v3(35.45,39.3) v3(37.23,36.91) v3(37.43,27.77) v3(37.43,25.12) v3(37.38,21.44) v3(37.4,17.86) v3(61.96,19.76) v3(91.71,23.55) v3(91.73,18.93) v3(91.91,28.12) v3(91.96,33.58) v3(92.12,39.78) v3(95.52,20.88) v3(95.62,15.07)
GND_FIELD SIGNAL: length 29.2
  TOP w0.6: C10.2 v1(83.51,77.3) ; C16.2 v1(79.88,72.8) ; v1(71.3,90.9) 71.7,90.5 R3.1 ; v1(74.7,87) R9.2 72.8,87 72.7,87.1 Q2.2 ; U5.6 v1(60.1,71) ; U5.2 64.41,71.94 v1(65.64,71.94) ; C7.2 v1(64.7,79.1) ; Q4.2 85.6,82.9 85.5,82.8 R16.2 v1(85.5,80.9) ; R21.1 v1(69.9,76.1) ; R14.1 v1(62.1,80.8) ; v1(55.7,73) C15.2 C18.2 ; C9.2 v1(74.2,77.3) ; R15.2 v1(74.14,82) ; v1(74.4,74.8) 74.65,75.05 U4.2 ; R40.2 v1(60.1,69) ; D6.1 v1(66.4,85.8) ; R17.2 v1(58.4,81.3) ; 59.74,75.88 v1(61.11,75.88) ; R32.1 v1(71.6,75.9) ; C12.2 v1(83.51,75.8)
GND_HVPS:
  vias: v1(13.1,71.18) v1(14.04,71.16) v1(14.24,71.99) v1(16.1,79.9) v1(16.1,77.8) v1(16.8,78.9) v1(17.4,79.9) v1(17.5,77.8) v1(18.2,78.9) v1(18.9,79.9) v1(19,77.8) v1(19.7,78.9) v1(20.1,80.1) v1(21.4,80.2) v1(21.65,68.08) v1(21.74,69.53) v1(22.41,68.81) v1(23.15,69.56) v1(23.15,68.1) v1(30.4,75.9) v1(33.6,81.5) v1(33.6,80.3) v1(33.6,79.1) v1(34.7,77.6) v1(34.9,81.5) v1(34.9,80.3) v1(34.9,79.1) v1(36.1,81.5) v1(36.1,80.3) v1(36.1,79.1) v2(37.3,73.3) v2(37.3,72.4) v2(38,73.3) v2(38,72.4)
GND_QUENCH:
  vias: v1(91.6,82.4) v1(91.6,80.9) v1(92.7,82.4) v1(92.7,80.9) v1(93.9,82.4) v1(93.9,80.9) v1(94.8,80.2) v1(95.1,81.3) v1(95.3,79.3) v1(101.8,84.1) v1(101.78,82.8) v1(101.8,81.6) v1(103,84.1) v1(103,82.8) v1(103,81.6) v1(104.4,82.2) v1(112.4,70.7) v1(112.9,68.3) v1(113.5,70.7) v1(113.6,69.3) v1(114.4,77.7) v1(114.4,76.4) v1(114.4,74.3) v1(114.4,73.2) v1(114.7,70.7) v1(114.8,69.3) v1(115,75.4) v1(115.3,68.2) v1(115.7,82.2) v1(115.7,81.2) v1(115.7,80.2) v1(115.7,79) v1(115.7,77.7) v1(115.7,76.4) v1(115.7,74.3) v1(115.7,73.2) v1(115.8,70.7)
VCCIO: length 9.4
  TOP w0.406: v3(60.36,17.56) C43.1 ; U14.R13 v3(54,26.5) ; U14.D15 v3(66,24.5) ; U14.J15 v3(60,24.5) ; U14.N15 v3(56,24.5) ; U14.G13 v3(63,26.5) ; U14.K13 v3(59,26.5)
  BOTTOM w0.406: v3(56,24.5) 56.45,24.95 C96.1 ; v3(54,26.5) 53.71,26.21 C91.1 ; C94.1 v3(63,26.5) ; C93.1 v3(66,24.5) ; C95.1 v3(59,26.5)
  vias: v3(51.01,25.5) v3(51.01,24.5) v3(51.01,23.5) v3(55,21.5) v3(57,21.5) v3(65,21.5) v3(67,21.5)
VDD5_LCD:
  vias: v1(7.76,19.1) v1(7.78,17.55) v1(8.37,18.31) v1(8.96,19.06) v1(9.02,17.54)
VDD5_QUENCH: length 2.3
  TOP w0.6: R20.2 v1(67.1,77.2) ; R26.1 v1(54.7,74)
  vias: v1(59.5,73.4) v1(60.3,73) v1(78.33,77.41) v1(79.1,77.07) v1(79.86,77.38) v1(79.88,75.93)
VDD33:
  vias: v1(7.84,34.49) v1(7.8,23.9) v1(8.1,31.6) v1(8.4,23.1) v1(8.73,33.79) v1(8.9,23.9) v1(9.4,31.6) v1(10.8,31.6)
A12_L62N_0: length 68.6
  TOP w0.127: U17.4 110.76,24.49 110.89,24.61 111.69,24.61 112.6,23.7 112.6,17.6 111.8,16.8 104.6,16.8 99.1,11.3 96.7,11.3 95.55,12.45 J6.57 95.29,11.47 arc(95.25,11.38) 95.16,11.34 94.82,11.34 arc(94.34,11.54) 94.15,12.01 94.15,12.71 94.15,12.71 arc(94.14,12.73) 94.14,12.75 arc(94.02,13.05) 93.82,13.31 93.47,13.66 arc(93.42,13.79) 93.47,13.93 93.48,13.93 arc(93.63,14.3) 93.48,14.67 arc(93.11,14.82) 92.74,14.67 92.73,14.66 arc(92.6,14.61) 92.47,14.66 88.22,18.91 arc(86.88,19.81) 85.3,20.12 80.02,20.12 arc(79.89,20.18) 79.83,20.31 79.83,20.46 arc(79.64,20.65) 79.45,20.46 79.45,20.31 arc(79.39,20.18) 79.26,20.12 78.06,20.12 arc(76.57,20.42) 75.3,21.26 75.12,21.44 arc(75.07,21.58) 75.12,21.71 arc(75.18,21.84) 75.12,21.98 75.12,21.98 arc(74.98,22.04) 74.85,21.98 74.85,21.98 arc(74.72,21.92) 74.58,21.98 72.86,23.7 arc(72.15,24.77) 71.9,26.03 71.9,26.29 arc(71.82,26.68) 71.6,27 71.3,27.31 arc(70.73,27.68) 70.07,27.82 68.94,27.82 arc(68.7,27.86) U14.A12
A13_L63N_0: length 37.9
  TOP w0.127: U14.A13 68.55,26.95 arc(68.69,26.86) 68.85,26.83 69.93,26.83 arc(70.39,26.64) 70.58,26.18 70.58,24.31 arc(70.61,24.15) 70.7,24.01 71.18,23.53 arc(71.32,23.47) 71.45,23.53 71.54,23.61 arc(71.81,23.61) 71.81,23.35 71.72,23.26 arc(71.72,22.99) 71.99,22.99 72.08,23.08 arc(72.35,23.08) 72.35,22.81 72.26,22.72 arc(72.26,22.45) 72.53,22.45 72.62,22.54 arc(72.88,22.54) 72.88,22.27 72.8,22.18 arc(72.74,22.05) 72.8,21.91 75.08,19.63 arc(75.6,19.28) 76.22,19.16 85.5,19.16 arc(86.72,18.91) 87.75,18.22 89.27,16.71 arc(89.76,15.97) 89.93,15.1 89.93,14.23 arc(90.04,13.96) 90.31,13.85 arc(90.4,13.88) 90.44,13.97 arc(90.57,14.3) 90.9,14.43 arc(91.51,14.18) 91.76,13.57 91.76,11.47 arc(91.8,11.38) 91.89,11.34 92.62,11.34 arc(92.71,11.38) 92.75,11.47 J6.55
A14_L65N_0: length 37.9
  TOP w0.127: J6.53 90.21,11.47 arc(90.17,11.38) 90.08,11.34 89.22,11.34 arc(89.13,11.38) 89.09,11.47 89.09,13.52 arc(88.94,13.88) 88.57,14.04 87.81,14.04 arc(87.62,14.23) 87.81,14.42 88.57,14.42 arc(88.94,14.57) 89.09,14.94 89.09,15.19 arc(89.01,15.62) 88.77,15.97 86.82,17.92 arc(86.58,18.08) 86.3,18.14 74.79,18.14 arc(74.54,18.19) 74.33,18.33 73.96,18.7 arc(73.9,18.84) 73.96,18.97 74,19.01 arc(74.15,19.38) 74,19.75 arc(73.63,19.9) 73.26,19.75 73.22,19.71 arc(72.95,19.71) 72.95,19.98 72.99,20.02 arc(73.14,20.39) 72.99,20.76 arc(72.62,20.91) 72.25,20.76 72.21,20.72 arc(72.08,20.66) 71.95,20.72 71.37,21.29 arc(71.32,21.42) 71.38,21.55 71.42,21.6 arc(71.42,21.86) 71.15,21.86 71.11,21.82 arc(70.84,21.82) 70.84,22.09 70.88,22.13 arc(70.88,22.4) 70.61,22.4 70.57,22.36 arc(70.44,22.31) 70.3,22.36 69.92,22.74 arc(69.8,22.92) 69.76,23.12 69.76,25.35 arc(69.63,25.68) 69.31,25.81 68.85,25.81 arc(68.7,25.84) 68.58,25.92 U14.A14
B12_L62P_0: length 69.6
  TOP w0.127: U17.5 110.76,25.07 110.89,24.95 111.82,24.95 112.93,23.84 112.93,17.46 111.94,16.47 104.74,16.47 99.24,10.97 96.7,10.97 95.64,9.91 J6.58 95.29,10.89 arc(95.25,10.98) 95.16,11.01 94.82,11.01 arc(94.11,11.31) 93.82,12.01 93.82,12.67 arc(93.73,12.89) 93.59,13.07 93.24,13.43 arc(93.09,13.79) 93.24,14.16 93.24,14.17 arc(93.3,14.3) 93.24,14.44 93.24,14.44 arc(93.1,14.49) 92.97,14.44 92.97,14.43 arc(92.6,14.28) 92.23,14.43 87.99,18.68 arc(86.75,19.5) 85.3,19.79 78.06,19.79 arc(76.44,20.11) 75.07,21.03 72.63,23.47 arc(71.84,24.64) 71.57,26.03 71.57,26.29 arc(71.51,26.55) 71.37,26.77 71.07,27.07 arc(70.61,27.38) 70.07,27.49 68.74,27.49 arc(68.07,27.62) U14.B12
B14_L65P_0: length 60.8
  TOP w0.127: R64.1 105.2,9.4 104.3,10.3 101.4,10.3 98.8,7.7 92.1,7.7 90.21,9.59 J6.54 90.21,10.89 arc(90.17,10.98) 90.08,11.01 89.22,11.01 arc(88.9,11.15) 88.76,11.47 88.76,13.52 arc(88.71,13.65) 88.57,13.71 87.81,13.71 arc(87.29,14.23) 87.81,14.75 88.57,14.75 arc(88.71,14.8) 88.76,14.94 88.76,15.19 arc(88.7,15.49) 88.54,15.74 86.58,17.69 arc(86.45,17.78) 86.3,17.81 74.79,17.81 arc(74.42,17.88) 74.1,18.1 73.72,18.47 arc(73.57,18.84) 73.72,19.21 73.76,19.25 arc(73.82,19.38) 73.77,19.51 73.76,19.52 arc(73.63,19.57) 73.49,19.52 73.45,19.48 arc(72.72,19.48) 72.72,20.21 72.76,20.25 arc(72.81,20.38) 72.76,20.52 72.76,20.52 arc(72.62,20.58) 72.49,20.52 72.45,20.48 arc(72.08,20.33) 71.71,20.48 69.69,22.51 arc(69.5,22.79) 69.43,23.12 69.43,25.35 arc(69.4,25.44) 69.31,25.48 68.75,25.48 arc(68.08,25.62) U14.B14
  TOP w0.4: R64.1 105.2,7.48 arc(105.23,7.33) D12.2 105.31,4.17 arc(105.32,4.13) J3.2
